# KiCad board beaglebone-ai.kicad_pcb (continued)
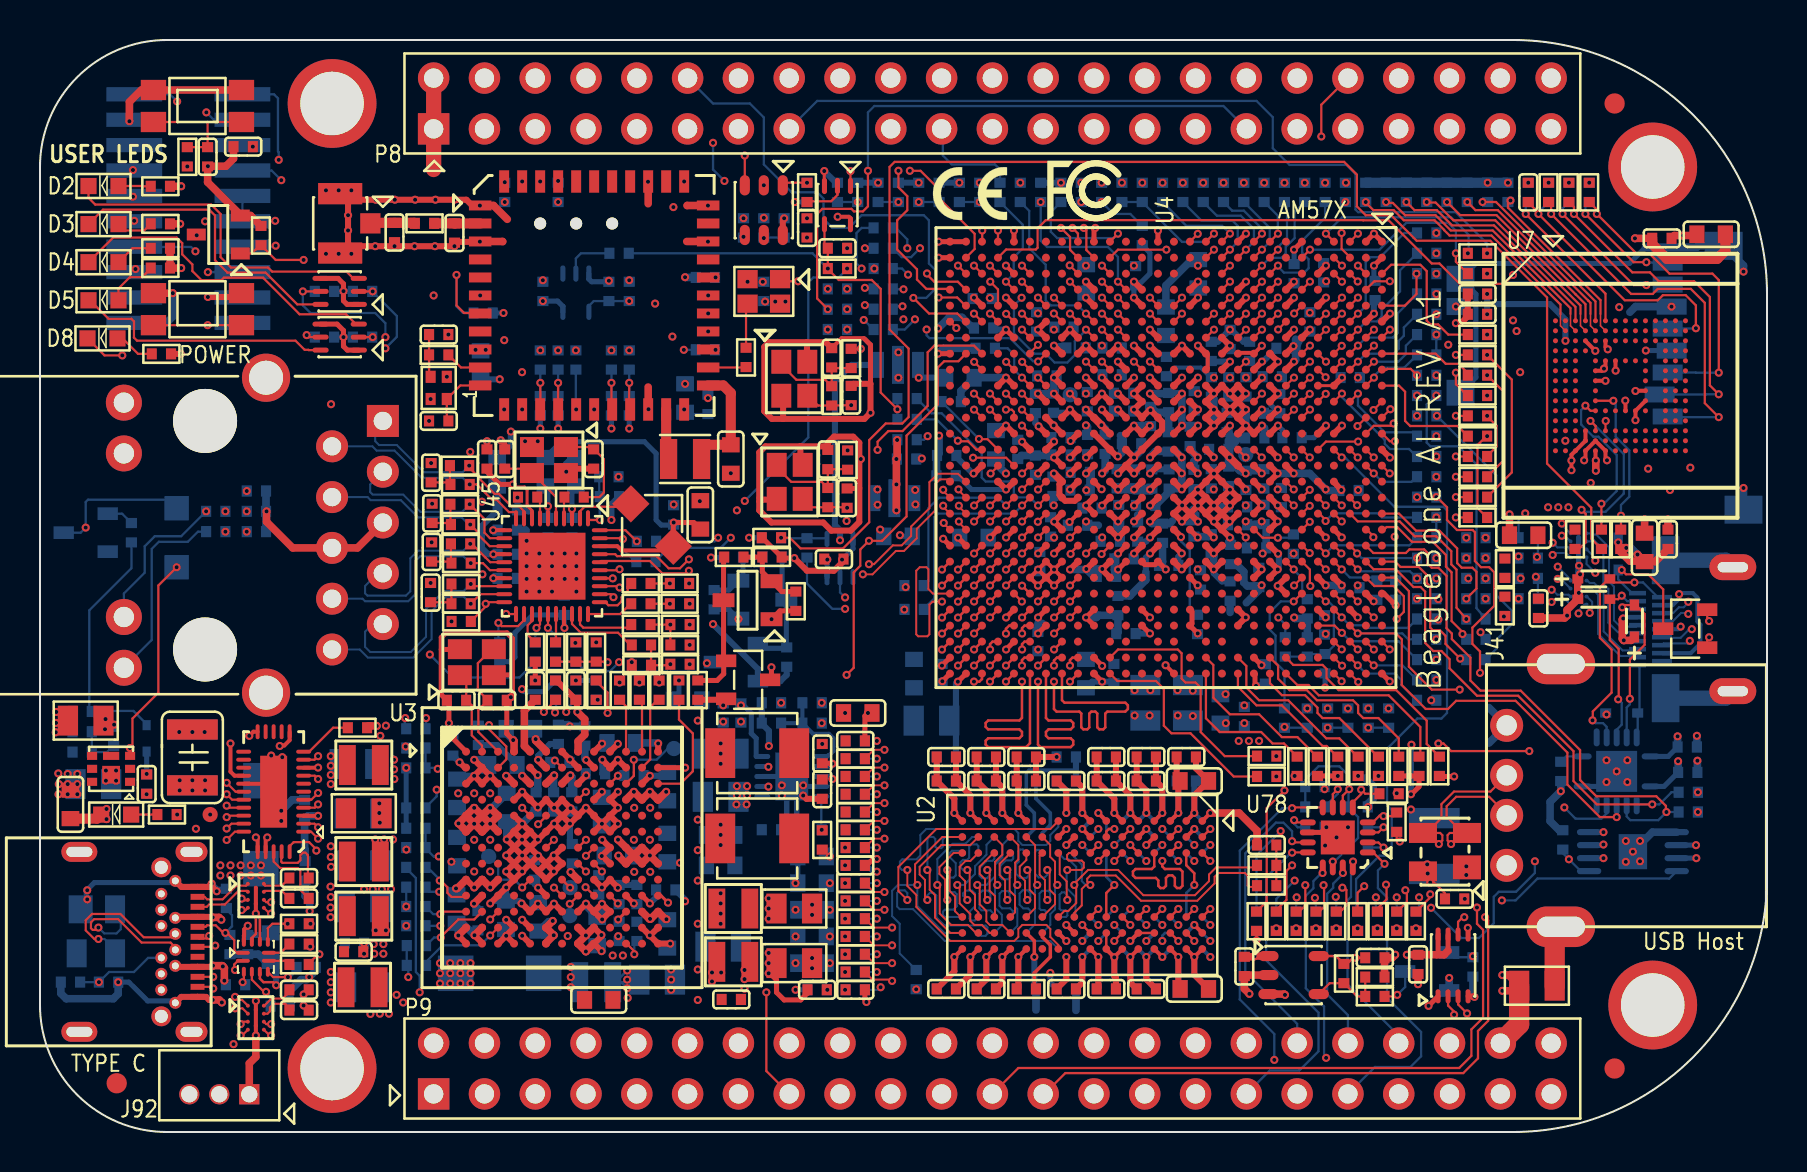
[diagram p0: board, top side]
## Routing (per net, layer and track width the routed paths; a pad name or vN(x,y) marks a point on that pad's centre or on a via; arc(x,y) is an arc through that point) (continued)
eMMC_RSTn: length 8.2
  TOP w0.114: U7.K5 77.53,36.07 v1(77.28,36.32) ; R56.2 v1(78.08,31.42)
  BOTTOM w0.114: v1(77.28,36.32) 77.06,36.11 77.06,35.38 77.67,34.77 77.93,34.77 78.84,33.86 78.84,32.05 78.21,31.42 v1(78.08,31.42)
F2_GPIO4_1: length 11
  TOP w0.114: v1(70.8,43.94) 70.8,43.52 R686.1 ; U4.F2 v1(63.5,44.13)
  BOTTOM w0.114: v1(63.5,44.13) 66.99,44.13 68.33,45.47 70.41,45.47 70.8,45.07 v1(70.8,43.94)
F4_UART10_RTSN: length 42.2
  TOP w0.114: U4.F4 v1(63.5,42.53)
  SIG_L10 w0.102: v1(63.5,42.53) 63.87,42.16 64.52,42.16 64.72,41.96 64.72,40.79 64.44,40.51 63.22,40.51 63.09,40.39 63.09,36.78 63.32,36.55 63.83,36.55 63.83,36.53 63.93,36.42 63.93,34.84 64.44,34.33 64.44,33.45 64.95,32.94 65.71,32.94 67.06,31.6 67.06,25.4 67.88,24.57 67.88,20.66 66.62,19.41 65.1,19.41 63.63,17.93 63.63,13.79 62.79,12.95 62.48,12.95 62.36,12.83 62.36,11.61 62.61,11.35 63.42,11.35 63.75,11.68 v1(63.75,11.71)
  BOTTOM w0.114: R635.1 63.8,11.66 v1(63.75,11.71)
F5_GPIO4_9: length 34.4
  TOP w0.114: U4.F5 v1(62.71,40.93)
  SIG_L8 w0.102: P8.18 38.73,51.43 38.73,49.21 39.31,48.64 43.69,48.64 44.04,48.29 45.82,48.29 46.36,47.75 46.36,46.42 46.93,45.85 53.59,45.85 53.87,45.57 60.22,45.57 60.71,45.08 60.71,44.01 60.96,43.75 61.21,43.75 61.47,43.5 61.47,42.42 61.72,42.16 62.04,42.16 62.29,41.91 62.29,41.34 62.7,40.93 v1(62.71,40.93)
F8_LCD_DATA6: length 15.7
  TOP w0.114: U4.F8 v1(63.5,39.33)
  INT_L3 w0.102: P8.39 67.95,46.04 68.14,45.85 68.14,40.02 67.81,39.69 63.87,39.69 v1(63.5,39.33)
F9_LCD_DATA5: length 19.8
  TOP w0.114: U4.F9 v1(63.5,38.53)
  INT_L3 w0.102: v1(63.5,38.53) 63.9,38.93 67.58,38.93 68.45,39.8 68.45,46.1 68.77,46.42 68.77,48.6 69.16,49 69.16,51.38 P8.42
F10_LCD_DATA2: length 20.4
  TOP w0.114: U4.F10 v1(63.5,37.73)
  INT_L3 w0.102: v1(63.5,37.73) 63.5,37.72 63.89,37.34 67.26,37.34 69.44,39.52 69.44,45.29 69.98,45.82 69.98,48.26 70.56,48.84 71.7,48.84 P8.43
F11_VOUT1_D0: length 11.7
  TOP w0.114: U4.F11 v1(63.49,36.92) ; R662.1 v1(70.8,31.75)
  SIG_L8 w0.102: v1(63.49,36.92) 63.49,36.65 64.4,35.74 65.99,35.74 66.74,34.99 68.21,34.99 69.09,34.11 69.09,32.46 69.42,32.13 70.42,32.13 v1(70.8,31.75)
F12_GPIO5_3: length 28.8
  TOP w0.114: U4.F12 v1(63.5,36.13) ; R633.1 61.82,11.1 62.33,11.61 62.33,13.06 v1(62.61,13.34)
  SIG_L10 w0.102: v1(63.5,36.13) 63.5,36.07 63.12,35.69 63.12,35.18 64.14,34.16 64.14,33.27 64.9,32.51 65.21,32.51 65.48,32.25 65.48,22.02 65.85,21.65 65.85,20.52 63.37,18.05 63.37,14.1 v1(62.61,13.34)
F14_TIMER12: length 49.6
  TOP w0.114: U4.F14 v1(63.49,33.73)
  SIG_L8 w0.102: P8.8 28.58,51.43 28.58,49.66 29.78,48.45 32.77,48.45 33.27,47.94 33.27,47.43 34.02,46.69 36.27,46.69 36.8,46.15 36.8,45.54 37.08,45.26 39.98,45.26 40.28,45.57 45.39,45.57 46.89,44.07 49.72,44.07 50.05,43.74 54.88,43.74 55.63,42.99 55.81,42.99 56.77,42.99 57.68,42.08 58.05,42.08 58.26,41.87 58.26,41.5 58.05,41.28 58.05,39.68 58.26,39.47 58.26,38.45 58.61,38.1 58.86,38.1 59.12,37.85 59.12,37.59 59.4,37.31 59.65,37.31 59.86,37.1 59.86,36.79 60.13,36.51 60.42,36.51 60.71,36.23 60.71,35.99 60.95,35.75 61.28,35.75 61.55,35.48 61.55,34.84 62.04,34.35 62.88,34.35 v1(63.49,33.73)
F20_UART10_TXD: length 42.7
  TOP w0.114: v1(63.49,28.95) 63.12,29.33 U4.F20
  SIG_L5 w0.102: P9.24 49.81,6.63 52.07,6.63 52.57,7.13 59.05,7.13 60.08,8.16 61.4,8.16 63.31,10.07 63.31,10.41 63.11,10.62 62.69,10.62 59.94,13.36 59.94,18.54 58.9,19.58 58.9,22.45 61.01,24.56 62.66,24.56 63.37,25.27 63.37,26.54 63.91,27.08 63.91,27.81 63.49,28.23 v1(63.49,28.95)
G6_GPIO4_0: length 15.3
  TOP w0.114: R684.1 v1(70.8,33.78) ; U4.G6 v1(61.91,40.13)
  SIG_L8 w0.102: v1(70.8,33.78) 71.17,34.15 71.17,36.12 71.04,36.25 68.53,36.25 67.44,37.34 64.14,37.34 63.91,37.57 63.91,37.88 63.63,38.16 63.31,38.16 63.12,38.35 63.12,38.67 62.88,38.91 62.46,38.91 62.29,39.08 62.29,39.43 61.91,39.81 v1(61.91,40.13)
G10_VOUT1_D1: length 14.9
  TOP w0.114: R664.1 v1(70.8,30.73) ; U4.G10 v1(62.7,37.73)
  SIG_L8 w0.102: v1(62.7,37.73) 63.09,37.34 63.63,37.34 63.88,37.08 63.88,36.64 64.52,36 66.23,36 66.67,35.56 67.12,35.56 67.35,35.79 67.84,35.79 69.47,34.16 69.47,32.58 69.66,32.38 70.93,32.38 71.18,32.13 71.18,31.12 v1(70.8,30.73)
G11_LCD_DATA3: length 25.6
  TOP w0.114: U4.G11 v1(62.7,36.93)
  INT_L3 w0.102: v1(62.7,36.93) 62.77,36.93 63.14,36.55 67.03,36.55 70.28,39.8 70.28,44.75 70.71,45.19 70.71,47.52 71.81,48.62 73.56,48.62 74.14,49.2 74.14,51.21 73.03,52.32 P8.44
G12_GPIO5_2: length 28.3
  TOP w0.114: v1(62.23,17.08) 61.34,16.19 61.34,11.53 R636.1 ; U4.G12 v1(62.7,36.13)
  SIG_L10 w0.102: v1(62.23,17.08) 62.23,19.18 62.89,19.84 62.89,22.12 63.53,22.76 63.53,26.75 63.88,27.1 63.88,30.67 64.14,30.92 64.45,30.92 64.71,31.18 64.71,32.32 63.88,33.15 63.88,33.91 62.7,35.09 v1(62.7,36.13)
G14_TIMER11: length 47.1
  TOP w0.114: U4.G14 v1(62.69,33.73)
  SIG_L8 w0.102: P8.7 29.27,48.2 32.64,48.2 33.02,47.82 33.02,47.31 33.9,46.43 36.09,46.43 36.58,45.95 36.58,45.39 37.61,44.35 39.43,44.35 40.41,45.34 45.26,45.34 46.85,43.75 49.28,43.75 50.1,42.93 55.29,42.93 55.46,42.76 56.62,42.76 57.55,41.83 57.55,41.57 57.82,41.3 57.82,40.54 57.53,40.26 57.53,38.67 58.29,37.91 58.29,37.59 58.55,37.34 58.86,37.34 59.09,37.12 59.09,36.73 59.34,36.48 59.36,36.48 59.66,36.48 59.88,36.26 59.88,35.94 60.13,35.69 60.52,35.69 60.71,35.5 60.71,35.18 61.79,34.09 62.34,34.09 v1(62.69,33.73)
G16_UART8_CTSN: length 14.5
  TOP w0.114: U4.G16 v1(62.69,32.13)
  INT_L3 w0.102: v1(71.32,28.7) 71.82,29.2 71.82,32.26 70.95,33.12 68.45,33.12 67.9,32.58 66.55,32.58 66.15,32.97 63.53,32.97 63.14,32.58 63.14,32.58 v1(62.69,32.13)
G17_SPI2_D0: length 22.6
  TOP w0.114: U4.G17 v1(62.69,31.33)
  SIG_L10 w0.102: v1(62.69,31.33) 63.12,30.91 63.12,22.83 62.59,22.3 62.59,20.1 61.34,18.86 61.34,17.27 61.98,16.64 61.98,15.11 v1(62.04,15.05)
  BOTTOM w0.114: v1(62.04,15.05) 60.83,13.84 R637.1
GPIO3_7: length 45.5
  TOP w0.114: v1(13.18,43.61) 11.79,43.61 R700.1 11,44.35 10.58,43.93 Q18.1 ; v1(45.82,40.21) 45.5,40.53 U4.AH6
  SIG_L8 w0.102: v1(13.18,43.61) 13.41,43.38 21.59,43.38 22.78,44.58 22.78,47.78 23.24,48.23 25.81,48.23 27.64,46.41 28.88,46.41 31.62,43.66 34.09,43.66 34.77,42.98 34.77,41.2 35.41,40.56 40.51,40.56 41.05,40.03 43.56,40.03 43.84,39.75 45.36,39.75 v1(45.82,40.21)
GPIO3_14: length 32.3
  TOP w0.114: v1(16.64,39.75) T1.2 ; U4.AG3 v1(45.9,43.33)
  SIG_L5 w0.102: v1(45.9,43.33) 45.89,43.31 42.67,43.31 42.39,43.59 23.93,43.59 22.57,42.23 19.11,42.23 v1(16.64,39.75)
  BOTTOM w0.114: R387.1 v1(16.64,39.75)
GPIO3_15: length 43.6
  TOP w0.114: U4.AG5 46.27,41.33 45.87,41.73 v1(44.94,41.73) ; T1.5 13.44,39.75 v1(13.34,39.85)
  SIG_L5 w0.102: v1(13.34,39.85) 13.8,40.32 16.64,40.32 18.8,42.48 22.42,42.48 23.75,43.81 44.26,43.81 44.54,44.09 45.19,44.09 45.47,43.81 47.55,43.81 47.88,43.48 47.88,43.17 47.88,43.16 47.88,42.35 47.69,42.16 45.37,42.16 v1(44.94,41.73)
  BOTTOM w0.114: R389.1 13.44,39.75 v1(13.34,39.85)
GPIO3_17: length 40.2
  TOP w0.114: U4.AF6 v1(46.7,40.93) ; v1(13.14,42.04) T2.5
  SIG_L5 w0.102: v1(17.27,39.75) 18.95,41.43 22.61,41.43 24.31,43.13 36.75,43.13 38.16,41.72 41.44,41.72 42.88,40.28 43.9,40.28 44.58,40.96 46.67,40.96 v1(46.7,40.93)
  BOTTOM w0.114: R392.1 v1(13.14,42.04) 13.14,41.34 13.53,40.96 16.76,40.96 17.27,40.45 v1(17.27,39.75)
GPIO3_18: length 30.3
  TOP w0.114: U4.AF3 v1(46.7,43.33)
  INT_L3 w0.102: v1(46.7,43.33) 46.23,42.85 45.03,42.85 44.2,43.69 29.84,43.69 28.98,42.82 28.98,42.44 27.56,41.02 27.56,37.59 25.65,35.69 23.66,35.69 v1(23.21,36.13)
GPIO3_20: length 33.3
  TOP w0.114: U37.7 21.99,40.96 21.21,40.96 20.83,41.34 v1(20.83,42.86) ; v1(47.12,45.08) 47.12,44.54 U4.AF1
  SIG_L5 w0.102: v1(20.83,42.86) 22.39,42.86 23.65,44.12 39.55,44.12 40.26,44.83 40.69,44.83 41.01,45.15 46.67,45.15 46.74,45.08 v1(47.12,45.08)
  BOTTOM w0.114: v1(20.83,42.86) 20.83,41.29 21.13,40.98 21.65,40.98 R338.2
GPIO3_21: length 27.4
  TOP w0.114: U4.AE3 v1(47.5,43.33)
  SIG_L5 w0.102: v1(47.5,43.33) 46.7,42.52 41.91,42.52 41.63,42.8 38.23,42.8 37.67,43.36 24.1,43.36 22.58,41.83 v1(22.01,41.83)
GPIO3_22: length 20.5
  TOP w0.114: v1(47.52,42.52) 47.9,42.14 U4.AE5
  SIG_L8 w0.102: v1(32.21,47.53) 32.21,46.21 32.73,45.69 34.26,45.69 34.69,45.27 35.48,45.27 35.74,45.01 35.74,44.6 36.58,43.76 44.35,43.76 44.68,44.09 45.26,44.09 45.47,43.89 45.47,43.15 46.1,42.52 v1(47.52,42.52)
GPIO3_23: length 30.8
  TOP w0.114: U4.AE1 v1(47.9,45.08)
  INT_L3 w0.102: v1(47.9,45.08) 47.4,44.58 46.42,44.58 46.09,44.91 39.45,44.91 38.54,44.01 29.15,44.01 27.18,42.04 27.18,37.85 25.47,36.13 v1(24.11,36.13)
GPIO5_18: length 56.3
  TOP w0.114: U4.V2 53.9,44.13 v1(56.32,44.13)
  SIG_L8 w0.102: v1(56.32,44.13) 56.68,44.48 58.85,44.48 59.06,44.27 59.06,43.88 59.26,43.68 60.21,43.68 60.71,43.18 60.71,40.77 60.96,40.52 62.07,40.52 62.29,40.29 62.29,40 62.55,39.75 62.86,39.75 63.12,39.5 63.12,39.18 63.37,38.93 63.69,38.93 63.94,38.67 63.94,38.35 64.14,38.16 67.82,38.16 68.2,37.78 68.2,36.96 68.68,36.47 71.22,36.47 71.5,36.2 71.5,30.68 71.73,30.45 72.8,30.45 73.15,30.1 75.11,30.1 75.82,30.81 76.81,30.81 78.46,29.16 78.46,22.07 76.83,20.45 76.83,14.02 v1(76.45,13.64)
  BOTTOM w0.114: U48.5 77.05,13.05 v1(76.45,13.64) 76.15,13.94 R516.1
GPIO5_19: length 68.7
  TOP w0.114: U4.Y1 51.9,44.93 v1(51.63,45.21) ; R475.2 22.29,26.28 v1(22.29,26.42) 22.29,26.43 22.35,26.5 U45.20
  SIG_L5 w0.102: v1(22.29,26.42) 22.29,25.41 21.95,25.07 19.57,25.07 18.29,26.35 18.29,36.65 15.6,39.34 13.21,39.34 12.7,39.85 12.7,42.21 13.74,43.26 22.4,43.26 23.6,44.45 30.23,44.45 31.09,45.31 40.54,45.31 40.82,45.59 51.24,45.59 v1(51.63,45.21)
GPMC_AD0: length 33.6
  TOP w0.114: U4.M6 v1(58.7,40.92)
  SIG_L10 w0.102: v1(40.89,46.51) 41.02,46.63 41.02,48.26 41.34,48.58 60.01,48.58 60.71,47.88 60.71,47.05 61.47,46.29 61.47,41.58 61.21,41.33 60.96,41.33 60.71,41.07 60.71,40.79 60.43,40.51 59.12,40.51 58.71,40.92 v1(58.7,40.92)
  BOTTOM w0.114: R596.1 v1(40.89,46.51)
GPMC_AD1: length 10
  TOP w0.114: U4.M2 v1(58.7,44.13)
  SIG_L10 w0.102: v1(58.7,44.13) 58.53,44.3 58.35,44.48 58.35,45.03 57.01,46.37 53.23,46.37 v1(53.09,46.51)
  BOTTOM w0.114: v1(53.09,46.51) 53.68,45.91 54.52,45.91 R689.2
GPMC_AD2: length 22
  TOP w0.114: U4.L5 v1(59.5,41.73)
  SIG_L10 w0.102: v1(43.94,46.51) 46.1,46.51 46.48,46.89 56.97,46.89 58.46,45.4 59.58,45.4 59.92,45.06 59.92,42.14 v1(59.5,41.73)
  BOTTOM w0.114: v1(43.94,46.51) R693.2
GPMC_AD3: length 6.2
  TOP w0.114: U4.M1 v1(58.7,44.93)
  BOTTOM w0.114: R38.2 R493.1 57.11,44.51 58.29,44.51 v1(58.7,44.93)
GPMC_AD4: length 27.2
  TOP w0.114: U4.L6 v1(59.5,40.92)
  SIG_L10 w0.102: v1(59.5,40.92) 59.92,41.34 60.49,41.34 60.71,41.55 60.71,45.97 59.69,46.99 59.69,47.75 59.44,48.01 45.59,48.01 44.63,47.04 43.46,47.04 v1(42.93,46.51)
  BOTTOM w0.114: R164.2 v1(42.93,46.51)
GPMC_AD5: length 16.1
  TOP w0.114: U4.L4 v1(59.5,42.53)
  SIG_L10 w0.102: v1(59.5,42.53) 59.23,42.8 59.12,42.8 58.63,43.29 56.07,45.85 52.77,45.85 52.51,46.1 51.88,46.1 51.47,46.51 51.02,46.51 50.61,46.1 49.66,46.1 49.25,46.51 v1(46.99,46.51)
  BOTTOM w0.114: R162.2 v1(46.99,46.51)
GPMC_AD6: length 9.3
  TOP w0.114: U4.L3 v1(59.5,43.33)
  SIG_L10 w0.102: v1(52.07,46.51) 52.1,46.48 52.51,46.48 52.9,46.1 56.14,46.1 56.36,45.88 58.92,43.33 v1(59.5,43.33)
GPMC_AD7: length 5.2
  TOP w0.114: U4.L2 v1(59.5,44.13)
  BOTTOM w0.114: v1(59.5,44.13) 59.89,44.51 59.89,45.31 59.64,45.57 58.09,45.57 R600.1
GPMC_AD8: length 4.6
  TOP w0.114: U4.L1 v1(59.5,44.93)
  BOTTOM w0.114: R44.2 57.33,45.31 59.12,45.31 v1(59.5,44.93)
GPMC_AD9: length 4.9
  TOP w0.114: U4.K2 v1(60.3,44.13)
  BOTTOM w0.114: v1(60.3,44.13) 60.71,44.53 60.71,45.16 60.05,45.82 58.85,45.82 R601.1
GPMC_AD10: length 3.3
  TOP w0.114: U4.J1 v1(61.1,44.93)
  BOTTOM w0.114: v1(61.1,44.93) 61.09,44.94 61.09,45.19 60.2,46.08 59.61,46.08 R602.1
GPMC_AD11: length 3.6
  TOP w0.114: U4.J2 v1(61.1,44.13)
  BOTTOM w0.114: v1(61.1,44.13) 61.49,44.51 61.49,45.21 R603.1
GPMC_AD12: length 2.4
  TOP w0.114: U4.H1 v1(61.9,44.93)
  BOTTOM w0.114: v1(61.9,44.93) 61.9,44.93 61.9,45.82 R604.1
GPMC_AD13: length 5
  TOP w0.114: U4.J3 v1(61.1,43.33)
  BOTTOM w0.114: R605.1 62.74,46 62.74,44.7 62.29,44.26 62.29,43.93 62.08,43.71 61.49,43.71 v1(61.11,43.33)
GPMC_AD14: length 3.2
  TOP w0.114: U4.H2 v1(61.9,44.13)
  BOTTOM w0.114: v1(61.9,44.13) 61.9,44.25 62.36,44.7 62.36,46.38 R606.1
GPMC_AD15: length 6.3
  TOP w0.114: U4.H3 v1(61.9,43.33)
  BOTTOM w0.114: v1(61.9,43.33) 61.9,43.28 62.2,42.98 63.22,42.98 63.44,43.19 63.44,43.65 63.12,43.96 63.12,44.57 64.26,45.72 R168.2
H5V: length 6.3
  TOP w0.114: v1(79.1,28.11) 79.31,27.89 80.42,27.89 81.17,27.13 Q19.3
  BOTTOM w0.114: J91.19 79.61,26.95 78.92,27.64 D23.2 v1(79.1,28.11)
HDMI_CLKN: length 93
  TOP w0.102: v1(41.45,28.4) 41.71,28.4 42.65,29.34 43.09,29.34 43.56,29.81 43.56,30.28 44.48,31.19 44.48,32.5 44.89,32.92 45.91,32.92 U4.AG16
  INT_L3 w0.102: v1(41.45,28.4) 41.11,28.4 40.72,28.01 40.72,24.46 38.13,21.87 38.13,18.34 38.68,17.78 38.68,15.98 37.03,14.33 37.03,6.91 37.74,6.2 39.6,6.2 40.44,5.36 43.81,5.36 44.45,5.99 59,5.99 60.71,7.7 68.1,7.7 70.18,9.78 70.18,13.49 69.49,14.18 69.49,19.61 71.63,21.74 71.63,23.34 74.15,25.86 75.85,25.86 76.56,26.57 76.56,28.91 76.2,29.26 75.85,29.26 v1(75.64,29.47)
  BOTTOM w0.102: v1(75.64,29.47) 75.87,29.24 76.44,29.24 U91.C3
HDMI_CLKP: length 90.6
  TOP w0.102: v1(41.15,27.89) 41.63,27.89 42.8,29.06 43.21,29.06 43.84,29.69 43.84,30.16 44.75,31.08 44.75,32.38 45.01,32.64 45.62,32.64 U4.AH16
  INT_L3 w0.102: v1(41.15,27.89) 41.07,27.89 40.97,27.79 40.97,24.36 38.38,21.77 38.38,18.44 38.94,17.89 38.94,15.88 37.29,14.22 37.29,7.01 37.85,6.45 39.7,6.45 40.54,5.61 43.71,5.61 44.34,6.25 58.9,6.25 60.6,7.95 67.99,7.95 69.93,9.88 69.93,13.39 69.24,14.07 69.24,19.71 71.37,21.85 71.37,23.44 74.04,26.11 75.74,26.11 76.3,26.67 76.3,28.8 76.1,29.01 75.79,29.01 v1(75.64,28.86)
  BOTTOM w0.102: v1(75.64,28.86) 75.74,28.96 76.32,28.96 U91.C4
HDMI_DATA0N: length 101.5
  TOP w0.102: v1(45.93,32.14) 45.93,32.1 U4.AG17
  INT_L3 w0.102: v1(45.93,32.14) 45.75,32.14 45.67,32.22 45.67,32.51 45.44,32.74 44.78,32.74 44.37,32.34 44.37,31.41 43.55,30.58 42.85,30.58 42.39,30.12 42.39,29.62 41.86,29.08 41.1,29.08 39.57,27.56 39.57,24.34 37.49,22.25 37.49,15.9 35.66,14.08 35.66,6.68 36.83,5.51 38.12,5.51 38.61,5.03 38.61,4.29 39.52,3.38 43.21,3.38 43.85,4.03 43.85,4.48 44.63,5.26 59.18,5.26 59.92,5.99 68.48,5.99 69.75,7.26 69.75,8.23 70.84,9.32 70.84,13.46 71.5,14.12 71.5,20.45 72.95,21.89 72.95,23.77 74.35,25.17 77.62,25.17 78.41,25.96 78.41,29.18 77.34,30.25 76.28,30.25 v1(76.1,30.43)
  BOTTOM w0.102: v1(76.1,30.43) 76.1,30.37 76.53,29.94 U91.C1
HDMI_DATA0P: length 99.3
  TOP w0.102: v1(45.16,32.12) 45.16,32.07 U4.AH17
  INT_L3 w0.102: v1(45.16,32.12) 45.17,32.11 45.32,32.11 45.41,32.22 45.41,32.41 45.34,32.49 44.88,32.49 44.63,32.23 44.63,31.3 43.65,30.33 42.96,30.33 42.65,30.02 42.65,29.51 41.96,28.83 41.2,28.83 39.83,27.45 39.83,24.23 37.74,22.15 37.74,15.8 35.92,13.97 35.92,6.78 36.93,5.77 38.23,5.77 38.86,5.13 38.86,4.39 39.62,3.63 43.1,3.63 43.6,4.13 43.6,4.59 44.52,5.51 59.08,5.51 59.81,6.25 68.37,6.25 69.49,7.37 69.49,8.33 70.59,9.43 70.59,13.56 71.25,14.22 71.25,20.55 72.69,22 72.69,23.88 74.24,25.43 77.52,25.43 78.16,26.06 78.16,29.08 77.24,30 76.28,30 v1(76.1,29.82)
  BOTTOM w0.102: v1(76.1,29.82) 76.25,29.82 U91.C2
HDMI_DATA1N: length 80.5
  TOP w0.102: U4.AG18 45.95,31.28 v1(45.95,31.32)
  INT_L3 w0.102: v1(75.59,27.12) 75.59,27.05 75.49,26.95 74.6,26.95 74.24,27.3 73.58,27.3 72.56,26.29 70.86,26.29 70.33,25.76 70.33,21.82 68.98,20.47 68.73,20.47 66.7,18.44 61.57,18.44 61.19,18.06 61.19,11.3 60.07,10.19 60.07,8.36 58.64,6.93 44.2,6.93 43.4,6.14 41.08,6.14 40.87,6.35 40.87,14.66 40.46,15.07 40.46,19.81 41,20.34 41,22.28 41.68,22.96 41.68,27.52 45.07,30.91 45.54,30.91 v1(45.95,31.32)
  BOTTOM w0.102: U92.C3 76.53,26.77 76.44,26.87 75.87,26.87 75.63,27.12 v1(75.59,27.12)
HDMI_DATA1P: length 80.4
  TOP w0.102: v1(45.16,31.32) 45.16,31.27 U4.AH18
  INT_L3 w0.102: v1(75.59,26.51) 75.59,26.54 75.44,26.7 74.49,26.7 74.14,27.05 73.69,27.05 72.67,26.04 70.97,26.04 70.59,25.65 70.59,21.72 69.09,20.22 68.83,20.22 66.8,18.19 61.67,18.19 61.44,17.95 61.44,11.2 60.33,10.08 60.33,8.26 58.75,6.68 44.3,6.68 43.5,5.88 40.98,5.88 40.61,6.24 40.61,14.55 40.21,14.96 40.21,19.91 40.74,20.45 40.74,22.38 41.43,23.07 41.43,27.63 44.96,31.17 45.06,31.17 45.16,31.27 v1(45.16,31.32)
  BOTTOM w0.102: U92.C4 76.32,26.59 75.74,26.59 75.66,26.51 v1(75.59,26.51)
HDMI_DATA2N: length 78.7
  TOP w0.102: v1(45.95,30.53) 45.95,30.48 U4.AG19
  INT_L3 w0.102: v1(45.95,30.53) 45.49,30.07 45.03,30.07 42.32,27.36 42.32,20.57 41.45,19.71 41.45,7.32 41.88,6.88 42.49,6.88 43.43,7.82 44.78,7.82 45.01,7.59 58.26,7.59 59.28,8.61 59.28,10.57 60.45,11.74 60.45,18.39 61.54,19.48 66.67,19.48 68.76,21.57 68.76,25.76 69.29,26.29 69.29,26.95 69.62,27.28 72.51,27.28 73.61,28.38 75.15,28.38 75.46,28.07 75.69,28.07 v1(75.9,28.27)
  BOTTOM w0.102: U92.C1 76.54,27.63 v1(75.9,28.27)
HDMI_DATA2P: length 78.4
  TOP w0.102: U4.AH19 45.29,30.34 45.29,30.35 45.19,30.45 45.19,30.46 v1(45.19,30.46)
  INT_L3 w0.102: v1(45.19,30.46) 45.19,30.43 45.09,30.33 44.93,30.33 42.06,27.46 42.06,20.68 41.2,19.81 41.2,7.21 41.78,6.63 42.6,6.63 43.54,7.57 44.67,7.57 44.9,7.34 58.37,7.34 59.54,8.51 59.54,10.46 60.71,11.63 60.71,18.29 61.65,19.23 66.78,19.23 69.01,21.46 69.01,25.65 69.55,26.18 69.55,26.85 69.72,27.03 72.62,27.03 73.72,28.12 75.05,28.12 75.36,27.81 75.74,27.81 v1(75.9,27.66)
  BOTTOM w0.102: v1(75.9,27.66) 76.05,27.66 U92.C2
HDMI_DDC_CEC: length 27.8
  TOP w0.114: v1(81.33,16) 81.31,16.03 81.31,16.31 80.82,16.79 77.83,16.79 77.01,17.6 77.01,19.1 74.04,22.07 72.03,22.07 71.53,22.58 71.53,23.72 70.6,24.65 70.6,24.93 70.33,25.2 70.33,27.81 69.93,28.22 69.6,28.22 69.39,28.42 69.39,28.96 69.22,29.13 68.48,29.13 68.3,28.96 66.67,28.96 U4.B20
  BOTTOM w0.114: R409.2 v1(81.33,16) 80.92,15.6 79.53,15.6 79.34,15.78 U12.3
HDMI_DDC_HPD: length 24.4
  TOP w0.114: U4.B21 66.69,28.14 67.79,28.14 68.68,27.25 69.04,27.25 69.27,27.03 69.27,24.46 69.67,24.05 70.08,24.05 70.48,23.65 70.48,23.19 71.86,21.82 73.91,21.82 76.68,19.05 76.68,17.55 77.85,16.38 v1(80.62,16.38)
  BOTTOM w0.114: U12.2 79.89,16.38 v1(80.62,16.38) 80.98,16.38 81.58,16.99 R705.2
HDMI_DDC_SCL: length 23.6
  TOP w0.114: v1(78.84,15.75) 78,15.75 76.38,17.37 76.38,18.97 73.79,21.56 70.82,21.56 70.41,21.16 69.29,21.16 68.1,22.35 68.1,24.64 67.8,24.93 v1(65.89,24.93) U4.C25
  BOTTOM w0.114: v1(78.84,15.75) U12.4 ; v1(65.89,24.93) 68.12,24.93 68.42,24.64 R530.2
HDMI_DDC_SDA: length 33.8
  TOP w0.114: U4.F17 v1(63.49,32.12)
  INT_L3 w0.102: v1(71.32,29.72) 71.44,29.83 71.44,32 71.03,32.41 68.22,32.41 68.14,32.32 66.41,32.32 66.18,32.55 63.93,32.55 v1(63.49,32.12)
  SIG_L8 w0.102: v1(71.32,29.72) 71.4,29.74 71.81,30.15 72.64,30.15 73.13,29.67 74.5,29.67 75.26,28.91 75.26,28.24 75.41,28.09 75.41,27.47 75.16,27.22 75.16,25.63 73.36,23.83 73.36,22.23 76.56,19.02 76.56,16.56 v1(76.23,16.23)
  BOTTOM w0.114: U12.5 78.34,15.93 78.08,15.67 76.78,15.67 v1(76.23,16.23)
I2C1_SCL: length 99
  TOP w0.114: v1(13.51,9.27) 13.51,9.32 R542.1 ; U4.C20 65.84,28.99 65.84,28.96 v1(65.86,28.93) ; v1(68,14.53) 67.96,14.53 67.84,14.64 R706.1
  SIG_L8 w0.102: v1(13.51,9.27) 13.53,9.26 13.53,8.62 14.07,8.08 14.07,6.25 14.25,6.07 14.78,6.07 16.23,7.52 17.88,7.52 19.94,5.46 33.35,5.46 33.81,5 33.81,4.01 34.47,3.35 51.26,3.35 51.79,3.89 51.79,5 52.25,5.46 66.12,5.46 67.08,6.43 67.08,9.07 67.69,9.68 68.07,9.68 68.3,9.91 68.3,11.58 68.63,11.91 68.63,12.42 68.02,13.03 68.02,14.5 v1(68,14.53) 68.5,14.53 70.08,16.1 70.08,18.26 71.04,19.23 71.04,21.08 71.63,21.67 71.63,23.11 71.91,23.39 71.91,24.43 71.63,24.71 71.63,25.07 71.42,25.27 71.2,25.27 70.84,25.63 70.84,26.42 69.98,27.28 69.65,27.28 69.47,27.46 69.47,28.09 v1(68.86,28.7)
  SIG_L10 w0.102: v1(13.51,9.27) 14.33,9.27 16,10.95 17.98,10.95 v1(18.31,11.28)
  BOTTOM w0.114: v1(65.86,28.93) 66.09,28.7 v1(68.86,28.7) ; R149.1 v1(18.31,11.28)
I2C1_SDA: length 85.3
  TOP w0.114: R543.1 13.44,8.42 13.91,8.89 v1(13.97,8.89) ; U4.C21 v1(65.89,28.13)
  SIG_L8 w0.102: v1(68.86,27.69) 68.86,27.38 69.24,27 69.24,26.34 69.55,26.04 70.15,26.04 70.36,25.83 70.36,25.43 70.54,25.25 70.54,24.66 70.97,24.23 71.27,24.23 71.4,24.1 71.4,23.55 71.12,23.27 71.12,22.83 70.54,22.25 70.54,19.48 68,16.94 v1(67.84,16.94) 67.67,16.94 66.57,15.85 66.57,12.12 66.4,11.94 66.4,6.63 65.68,5.92 51.56,5.92 51.1,5.46 36.5,5.46 36.04,5.92 20.82,5.92 18.99,7.75 v1(18.41,7.75)
  SIG_L10 w0.102: v1(13.97,8.89) 14.83,8.89 15.98,7.75 v1(18.41,7.75)
  BOTTOM w0.114: R145.1 R146.1 18.35,8.33 18.41,8.27 v1(18.41,7.75) ; v1(65.89,28.13) 65.99,28.04 68.5,28.04 v1(68.86,27.69)
ID: length 72.3
  TOP w0.114: U22.9 11.39,10.19 11.62,10.41 v1(12.38,10.41) R546.2 ; U4.AG2 46.74,44.16 46.74,44.92 44.88,46.77 44.88,47.22 44.03,48.07 v1(43.5,48.07)
  INT_L3 w0.102: v1(7.8,15.16) 8.5,15.16 8.89,15.56 8.89,17.83 10.21,19.15 10.85,19.15 11.61,19.91 12.07,19.91 16.28,24.13 17.86,24.13 20.45,26.72 20.45,35.81 31.56,46.93 42.35,46.93 v1(43.5,48.07)
  SIG_L5 w0.102: v1(7.8,15.16) 8.18,15.16 9.3,14.05 11.73,14.05 12.38,13.4 v1(12.38,10.41)
INT_ADC: length 67.4
  TOP w0.114: U78.2 66.4,14.48 66.93,14.48 v1(67.18,14.22) ; U4.AG8 45.92,38.54 45.21,38.54 44.89,38.23 44.89,36.39 43.33,34.82 43.33,30.78 42.11,29.57 v1(41.45,29.57) 41.02,29.13 41.02,28.32 40.69,27.99 40.69,23.22 v1(40.34,22.86)
  SIG_L10 w0.102: v1(67.18,14.22) 66.6,13.64 66.6,12.12 65.21,10.73 61.21,10.73 58.42,7.94 51.12,7.94 50.74,8.32 44.45,8.32 42.99,6.86 41.53,6.86 41.02,7.37 41.02,15.21 40.72,15.52 40.72,21.23 40.34,21.62 v1(40.34,22.86)
  BOTTOM w0.114: R567.2 v1(67.18,14.22)
INT_TYPEC: length 69
  TOP w0.114: v1(12.4,7.75) 11.66,7.75 U22.6 ; U4.AE6 v1(47.5,40.93)
  INT_L3 w0.102: v1(47.5,40.93) 47.5,40.11 47.17,39.78 43.36,39.78 41.35,41.78 38.35,41.78 38.1,42.04 34.29,42.04 34.04,42.29 32.77,42.29 32.51,42.04 29.21,42.04 28.07,40.89 28.07,35.37 25.65,32.96 21.53,32.96 20.95,32.38 20.95,26.87 17.98,23.9 16.43,23.9 12.22,19.69 11.71,19.69 11.13,19.1 11.13,15.75 12.75,14.12 12.75,8.1 v1(12.4,7.75)
  BOTTOM w0.114: R545.2 12.83,8.06 12.51,7.75 v1(12.4,7.75)
J14_MCASP_FSR: length 16.6
  TOP w0.114: U4.J14 v1(61.09,33.73)
  INT_L3 w0.102: v1(61.09,33.73) 61.51,33.32 68.14,33.32 68.2,33.38 71.15,33.38 72.57,31.95 72.57,30.07 73.86,28.78 v1(73.93,28.78)
JTAG_EMU0: length 65
  TOP w0.114: U4.G21 v1(62.69,28.13)
  SIG_L8 w0.102: v1(62.69,28.13) 62.69,28.24 62.29,28.64 62.29,29.08 62.04,29.34 61.72,29.34 60.71,30.35 60.71,30.67 60.45,30.92 60.13,30.92 59.88,31.18 59.88,31.5 59.63,31.75 59.33,31.75 59.08,32 59.08,32.3 58.84,32.54 58.52,32.54 58.29,32.77 58.29,33.08 58.04,33.34 57.72,33.34 57.47,33.59 57.47,33.91 55.64,35.74 55.35,35.74 55.12,35.97 55.12,36.26 54.85,36.53 49.71,36.53 49.48,36.75 49.48,37.21 49.33,37.36 48.06,37.36 47.85,37.57 45.95,37.57 45.52,37.13 43.36,37.13 43.31,37.19 42.76,37.19 42.37,37.58 42.1,37.85 40.5,37.85 35.05,37.85 34.42,38.48 33.53,38.48 33.02,38.99 33.02,39.37 31.5,40.89 24.07,40.89 23.62,41.34 12.92,41.34 11.84,42.42 11.84,44.27 v1(11.79,44.32)
  BOTTOM w0.114: R192.1 63.12,26.9 63.12,27.69 62.69,28.11 v1(62.69,28.13) ; P2.13 11.73,44.27 v1(11.79,44.32)
JTAG_EMU1: length 75.8
  TOP w0.114: U4.D24 v1(65.09,25.73)
  SIG_L8 w0.102: v1(65.09,25.73) 64.71,25.35 62.53,25.35 62.33,25.55 62.33,26.01 62.18,26.16 61.19,26.16 59.88,27.47 59.88,29.91 59.69,30.1 59.37,30.1 59.12,30.35 59.12,30.67 58.86,30.92 58.55,30.92 58.29,31.18 58.29,31.5 58.1,31.69 57.78,31.69 57.53,31.94 57.53,32.26 57.28,32.51 56.71,32.51 55.88,33.34 55.37,33.34 55.12,33.59 55.12,34.1 54.29,34.92 52.2,34.92 51.66,35.46 51.26,35.46 50.95,35.76 48.13,35.76 47.88,36.02 47.88,36.35 47.73,36.5 46.46,36.5 46.28,36.68 43.17,36.68 43.12,36.73 42.57,36.73 41.91,37.39 40.31,37.39 34.86,37.39 34.28,37.97 33.32,37.97 32.63,38.67 32.13,38.67 30.48,40.32 22.73,40.32 22.29,40.77 12.8,40.77 9.53,44.04 v1(7.77,44.04)
  BOTTOM w0.114: v1(65.09,25.73) 65.49,25.34 66.23,25.34 66.36,25.21 68.41,25.21 R180.1 ; P2.14 4.72,44.26 7.56,44.26 v1(7.77,44.04)
JTAG_RTCK: length 80.5
  SIG_L10 w0.102: v1(69.82,30.73) 69.79,30.73 69.46,31.06 69.46,32.19 68.64,33.01 68.64,34.92 68.39,35.18 68.39,36.26 67.59,37.06 67.59,39.52 67.95,39.88 67.95,41.47 67.13,42.28 67.13,42.72 67.61,43.21 67.61,44.09 67.46,44.25 65.93,44.25 65.66,44.51 64.96,44.51 64.66,44.81 64.66,48.19 63.7,49.15 36.45,49.15 35.28,47.98 14.01,47.98 12.19,46.16 12.19,45.85 11.91,45.57 v1(11.76,45.57)
  BOTTOM w0.114: R200.2 v1(69.82,30.73) ; v1(11.76,45.57) 11.72,45.53 11.18,45.53 11.16,45.54 P2.11 P2.9
JTAG_TDI: length 76.3
  TOP w0.114: U4.D23 v1(65.09,26.53)
  SIG_L8 w0.102: v1(65.09,26.53) 65.09,26.51 64.74,26.16 62.51,26.16 62.28,26.39 61.49,26.39 60.68,27.2 60.68,29.93 60.52,30.1 60.2,30.1 59.88,30.42 59.88,30.67 59.63,30.92 59.37,30.92 59.12,31.18 59.12,31.5 58.92,31.7 58.6,31.7 58.29,32 58.29,32.26 58.04,32.51 57.78,32.51 57.53,32.77 57.53,33.02 57.21,33.34 56.77,33.34 55.12,34.99 55.12,35.53 54.89,35.76 51.33,35.76 50.8,36.3 49.53,36.3 49.3,36.53 48.06,36.53 47.9,36.68 47.9,37.13 47.73,37.31 46.08,37.31 45.67,36.91 43.26,36.91 43.21,36.96 42.67,36.96 42.01,37.62 40.41,37.62 34.96,37.62 34.35,38.23 33.4,38.23 32.73,38.9 32.73,39.24 31.37,40.6 22.9,40.6 22.48,41.02 12.88,41.02 11.3,42.6 11.3,46.61 8.32,49.59 v1(8.32,50.99)